# Altium PCB SOM Board with RK3399.PcbDoc (part 5 of 5) (continued)
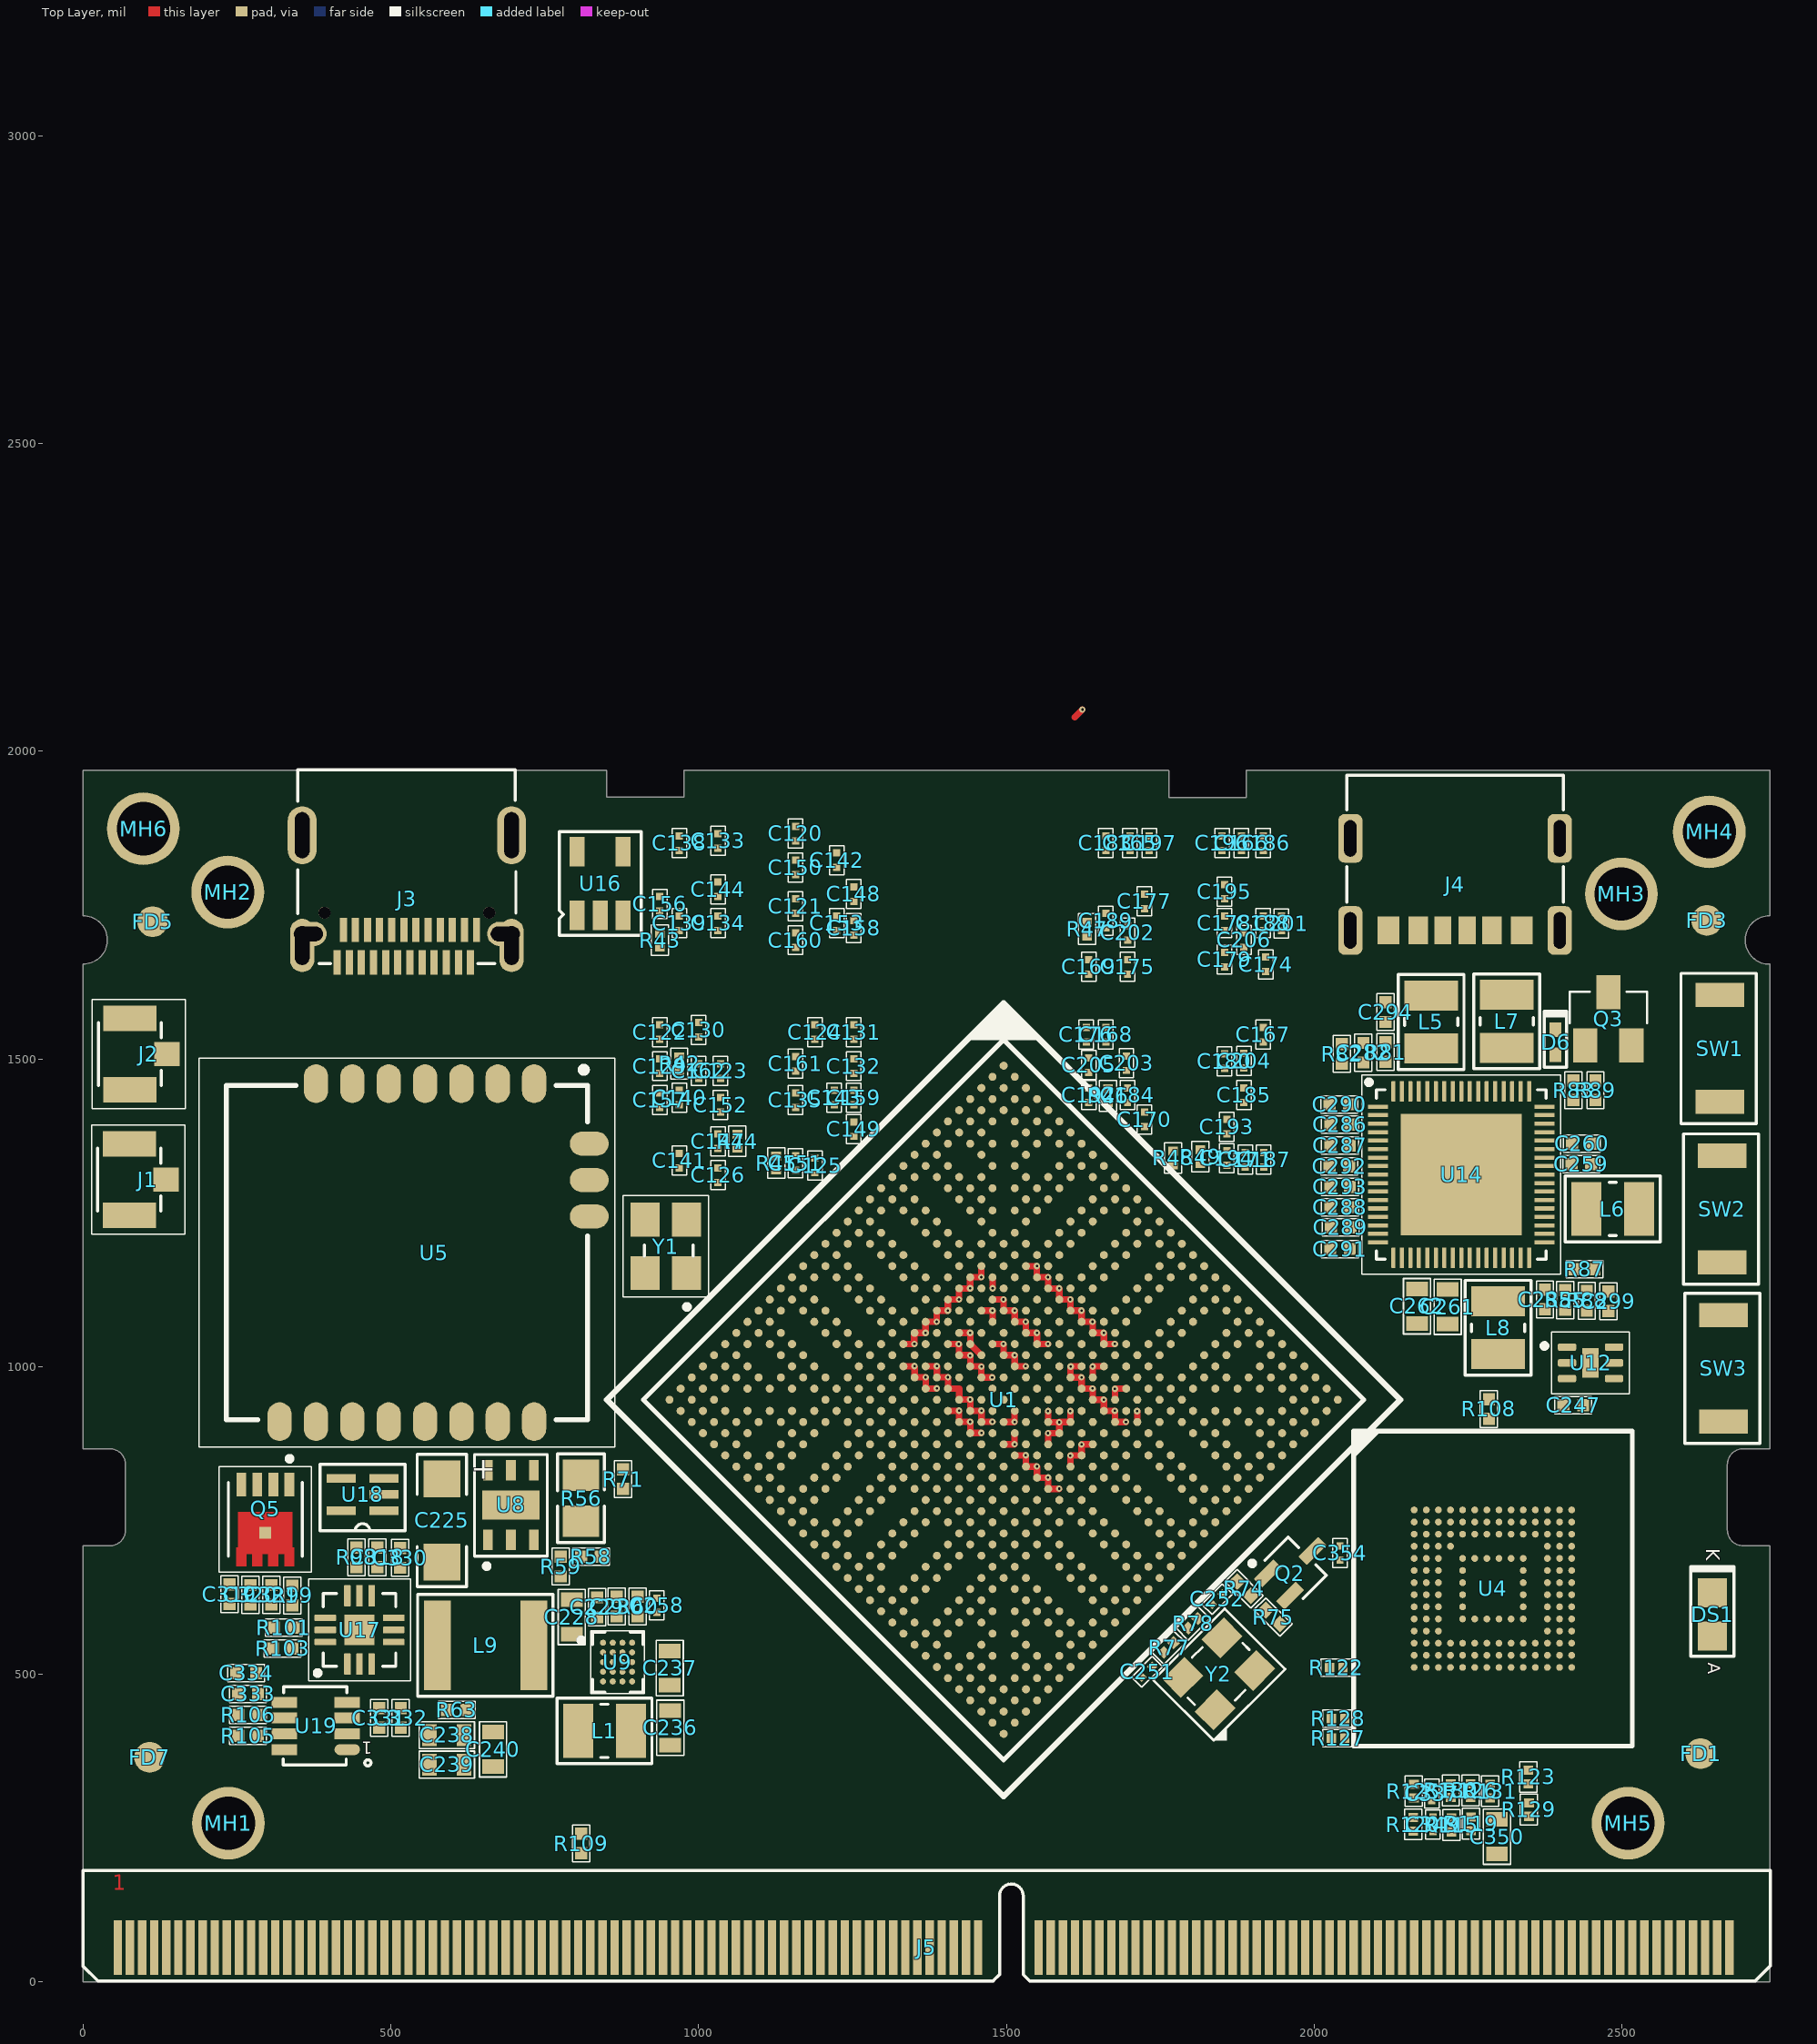
[diagram p0: Top Layer view]
## Nets (pads, with @x,y where several pads share a name; then routed paths per layer and width w, separated by ;. In a path a pad name is that pad's centre, name@x,y a point inside that pad or via, vN(x,y) a via of type N, cw(c..) or ccw(c..) an arc to the next point about the centre after c; other vN are vias at no path point) (continued)
NetDS1_K: DS1.K Q6.3
NetFB2_1: FB2.1 U1.R8
NetFB3_1: FB3.1 U1.H14
NetFB4_1: FB4.1 U1.M7
NetFB5_1: FB5.1 U1.G12
NetJ1_2: J1.2 U5.9
NetJ2_2: J2.2 U5.6
NetJ4_A5: J4.A5 R96.2
NetJ4_B5: J4.B5 R97.2
NetL1_1: L1.1 U9.D3 U9.D4 U9.E3 U9.E4
NetL2_1: L2.1 U10.D3 U10.D4 U10.E3 U10.E4
NetL3_1: L3.1 U11.4
NetL4_1: L4.1 U12.4
NetL5_1: L5.1 U14.61
NetL6_2: L6.2 U14.42 U14.43
NetL7_1: L7.1 U14.58
NetL8_2: L8.2 U14.25 U14.26
NetL10_1: L10.1 U19.3
NetL11_1: L11.1 U20.48
NetQ1_1: Q1.1 Q2.3 R73.2
NetQ2_1: Q2.1 R74.1 R75.2
NetQ3_1: Q3.1 Q4.3 R89.2
NetQ6_1: Q6.1 R108.2
NetR1_1: R1.1 U1.L28
NetR2_1: R2.1 U1.V29
NetR3_2: R3.2 U1.L29
NetR6_1: R6.1 U1.AF15
NetR7_1: R7.1 U1.G21
NetR8_1: R8.1 U1.AF12
NetR10_1: R10.1 U1.AC31
NetR12_1: R12.1 U1.AC30
NetR13_1: R13.1 U1.AG18
NetR14_1: R14.1 U1.AG20
NetR15_1: R15.1 U1.AE21
NetR16_1: R16.1 U1.AG21
NetR21_1: R21.1 U1.AF11
NetR22_1: R22.1 U1.AF14
NetR23_1: R23.1 U1.F24
NetR24_1: R24.1 U1.H23
NetR25_1: R25.1 U1.D26
NetR26_1: R26.1 U1.G23
NetR27_1: R27.1 U1.G24
NetR28_1: R28.1 U1.H22
NetR29_1: R29.1 U1.E28
NetR40_2: R40.2 U1.R7
NetR41_2: R41.2 U1.G15
NetR42_1: R42.1 U2.G2
NetR43_2: R43.2 U2.T2
NetR44_2: R44.2 U2.A5
NetR45_2: R45.2 U2.A8
NetR46_1: R46.1 U3.G2
NetR47_2: R47.2 U3.T2
NetR48_2: R48.2 U3.A5
NetR49_2: R49.2 U3.A8
NetR52_1: R52.1 U6.D4
NetR54_1: R54.1 R57.2 U7.3
NetR55_1: R55.1 Y1.1
NetR56_1: R56.1 R58.2 U8.5
NetR58_1: R58.1 R59.1
NetR64_1: R64.1 R69.1 R72.2 U11.6
NetR65_1: R65.1 R66.2 U12.6
NetR77_1: R77.1 R78.2 U1.Y30
NetR81_1: R81.1 U14.66
NetR85_1: R85.1 R87.1 R88.2 U14.34
NetR95_2: R95.2 U16.3
NetR98_1: R98.1 U17.8
NetR99_1: R99.1 U17.12
NetR101_1: R101.1 R103.1 U17.11
NetR104_2: R104.2 U17.3
NetR105_1: R105.1 R106.2 U19.7
NetR117_2: R117.2 U20.46
NetR118_2: R118.2 U20.39
NetR119_2: R119.2 U20.19
NetR120_2: R120.2 U20.22
OTP_OUT_H: R74.2 U1.P26
PCIE_REF_CLK_N: J5.226 U1.AD30
PCIE_REF_CLK_P: J5.228 U1.AD31
PCIE_RX0_N: J5.214 U1.AF31
PCIE_RX0_P: J5.216 U1.AF30
PCIE_RX1_N: J5.202 U1.AH31
PCIE_RX1_P: J5.204 U1.AH30
PCIE_RX2_N: J5.190 U1.AC28
PCIE_RX2_P: J5.192 U1.AC27
PCIE_RX3_N: J5.178 U1.AF28
PCIE_RX3_P: J5.180 U1.AF27
PCIE_TX0_N: J5.220 U1.AE31
PCIE_TX0_P: J5.222 U1.AE30
PCIE_TX1_N: J5.208 U1.AG31
PCIE_TX1_P: J5.210 U1.AG30
PCIE_TX2_N: J5.196 U1.AA28
PCIE_TX2_P: J5.198 U1.AA27
PCIE_TX3_N: J5.184 U1.AD28
PCIE_TX3_P: J5.186 U1.AD27
PMIC_EXT_EN: R101.2 U12.2 U14.55 U19.8
PMIC_INT_L: C297.2 U1.M30 U14.49
PMIC_SLEEP_H: C298.2 Q4.1 U1.R30 U14.50
PWM0_BL: J5.88 U1.AF5
PWR_KEY: J5.14 R86.1 SW3.2
PWR_KEY_L: D5.A U1.V27
RECOVERY: J5.20 R4.2 SW2.2
RESET_IN_H: C296.2 J5.22 Q1.3 SW1.2 U14.6
RESET_L: R76.1 R84.1 U14.20
RTC_BATT_IN: D4.A1 J5.18
RTC_CLKO_SOC: R82.1 U1.U31 U14.68
RTC_CLKO_WIFI: U5.16 Y1.3
SDIO0_CLK: J5.112 U1.AF7
SDIO0_CMD: J5.106 U1.AH6
SDIO0_D0: J5.98 U1.AD8
SDIO0_D1: J5.100 U1.AK5
SDIO0_D2: J5.102 U1.AG7
SDIO0_D3: J5.104 U1.AE8
SDIO0_DETN: J5.108 U1.AL4
SDIO_CLK: U5.17 U6.E4
SDIO_CMD: U5.4 U6.A3
SDIO_D0: U5.3 U6.A4
SDIO_D1: U5.2 U6.B3
SDIO_D2: U5.1 U6.B4
SDIO_D3: U5.18 U6.C3
SDMMC0_CLK: R2.2 U6.E1
SDMMC0_CMD: U1.V25 U6.A2
SDMMC0_D0: U1.Y27 U6.A1
SDMMC0_D1: U1.Y26 U6.B2
SDMMC0_D2: U1.Y28 U6.B1
SDMMC0_D3: U1.U27 U6.C2
SDMMC0_DET_L: R53.2 U1.V28
SDMMC0_VDDPST: C59.2 U1.U26
SPI1_CLK: J5.62 U1.P28
SPI1_CSn0: J5.56 U1.P29
SPI1_RXD/UART4_RX: J5.60 U1.P27
SPI1_TXD/UART4_TX: J5.58 U1.R31
TX0_N: C65.2 U1.A29
TX0_P: C64.2 U1.B29
TX1_N: C67.2 U1.A30
TX1_P: C66.2 U1.B30
TX2_N: C69.2 U1.C31
TX2_P: C68.2 U1.C30
TX3_N: C71.2 U1.D31
TX3_P: C70.2 U1.D30
TYPEC0_D_N: J3.A7 J3.B7 U1.AH23
TYPEC0_D_P: J3.A6 J3.B6 U1.AG23
TYPEC0_RX1_N: J3.B10 U1.AL21
TYPEC0_RX1_P: J3.B11 U1.AK21
TYPEC0_RX2_N: J3.A10 U1.AL23
TYPEC0_RX2_P: J3.A11 U1.AK23
TYPEC0_SBU1: C304.1 U1.AK20
TYPEC0_SBU1_DC: R91.1 U1.AH17
TYPEC0_SBU2: C305.1 U1.AL20
TYPEC0_SBU2_DC: R94.1 U1.AG17
TYPEC0_TX1_N: C306.1 U1.AK22
TYPEC0_TX1_P: C307.1 U1.AL22
TYPEC0_TX2_N: C308.1 U1.AK24
TYPEC0_TX2_P: C312.1 U1.AL24
TYPEC0_U2VBUSDET: D7.K R9.2 R90.1
TYPEC1_D_N: J5.177 U1.AH24
TYPEC1_D_P: J5.175 U1.AG24
TYPEC1_RX1_N: J5.189 U1.AL25
TYPEC1_RX1_P: J5.187 U1.AK25
TYPEC1_RX2_N: J5.201 U1.AL27
TYPEC1_RX2_P: J5.199 U1.AK27
TYPEC1_SBU1: J5.205 U1.AK29
TYPEC1_SBU1_DC: J5.211 U1.AE24
TYPEC1_SBU2: J5.207 U1.AL29
TYPEC1_SBU2_DC: J5.213 U1.AF25
TYPEC1_TX1_N: J5.183 U1.AK26
TYPEC1_TX1_P: J5.181 U1.AL26
TYPEC1_TX2_N: J5.195 U1.AK28
TYPEC1_TX2_P: J5.193 U1.AL28
TYPEC1_U2VBUSDET: J5.215 R11.2
TYPEC_CC1: C302.2 J3.A5 U15.10 U15.11
TYPEC_CC2: C301.2 J3.B5 U15.1 U15.14
UART2DBG_RX: J5.54 U1.AK2
UART2DBG_TX: J5.52 U1.AJ4
VBUS_TYPEC: C303.2 C310.2 C313.2 J3.A4 J3.A9 J3.B4 J3.B9 R90.2 U15.2 U16.1
VCC1V8_CAM: C284.2 J5.107 U14.31
VCC1V8_LPDDR4_A: C154.2 C155.2 C156.2 C157.2 C158.2 C159.2 C160.2 C161.2 C162.2 FB6.2 U2.F1 U2.F12 U2.G4 U2.G9 U2.T4 U2.T9 U2.U1 U2.U12
VCC1V8_LPDDR4_B: C199.2 C200.2 C201.2 C202.2 C203.2 C204.2 C205.2 C206.2 C207.2 FB7.2 U3.F1 U3.F12 U3.G4 U3.G9 U3.T4 U3.T9 U3.U1 U3.U12
VCC1V8_PMUPLL: C286.2 U14.3
VCC3V0_TOUCH: C285.2 U14.33
VCC3V3_S0: C293.2 U14.11
VCC3V3_S3: C81.2 C85.2 C87.2 C93.2 C208.2 C209.2 C292.2 C335.2 C336.2 R110.1 U1.AB18 U1.AB21 U1.J23 U1.Y25 U4.E6 U4.F5 U4.J10 U4.K9 U14.7
VCC3V3_S5: C279.2 C280.2 C327.2 C328.2 C329.2 D4.A2 R83.2 U14.35 U14.36 U14.52 U14.53 U18.5
VCC3V3_SYS: C218.2 C223.2 C228.2 C229.2 C230.2 C231.2 C232.2 C233.2 C243.2 C244.2 C246.2 C257.2 C259.2 C260.2 C261.2 C262.2 C263.2 C264.2 C273.1 C274.2 C275.2 C276.2 C277.2 C278.2 C309.2 C333.2 C334.2 J5.21 J5.23 J5.25 J5.27 J5.33 L10.2 Q1.2 R54.2 R73.1 R89.1 R105.2 SW1.1 U6.C1 U7.1 U9.D1 U9.D2 U9.E1 U9.E2 U10.D1 U10.D2 U10.E1 U10.E2 U11.3 U12.3 U13.1 U14.1 U14.4 U14.8 U14.10 U14.13 U14.16 U14.23 U14.24 U14.32 U14.44 U14.45 U14.59 U14.60 U15.4 U19.5
VCC5V0_SYS: C225.1 C311.2 C314.2 C322.2 C323.2 C324.2 C331.2 C332.2 J5.13 J5.15 J5.17 J5.19 L9.2 R107.2 U8.1 U8.6 U15.12 U15.13 U16.5 U17.5 U19.2
VCC_0V9: C56.2 C62.2 C72.2 C73.2 C77.2 C79.1 C82.2 C83.2 C247.2 FB2.2 FB3.2 FB8.1 L4.2 R65.2 U1.AA16 U1.AA17 U1.H20 U1.L24 U1.T24 U1.V24 U1.W24 U1.Y18 U1.Y19 U1.Y21 U1.Y22
VCC_1V5: C94.2 C98.2 C290.2 U1.AC8 U1.N23 U14.2
VCC_1V8: C57.2 C63.2 C74.2 C75.2 C76.1 C78.2 C80.2 C84.2 C86.2 C88.2 C89.2 C90.2 C91.2 C96.2 C211.2 C212.2 C213.2 C265.2 FB1.1 FB9.1 FB10.2 J5.29 J5.31 L5.2 R17.2 R18.2 R19.2 R20.2 R50.2 R60.2 R62.2 R67.1 R82.2 R84.2 U1.AA18 U1.AA21 U1.AB8 U1.AB12 U1.AB14 U1.AC10 U1.AD16 U1.J19 U1.J20 U1.J22 U1.J24 U1.K23 U1.K24 U1.U24 U1.Y24 U4.C6 U4.M4 U4.N4 U4.P3 U4.P5 U14.63
VCC_3V0: C95.2 C97.2 C281.2 C291.2 R30.2 R31.2 R32.2 R33.2 R34.2 R35.2 R70.1 U1.AC9 U1.P23 U14.15 U14.17
VCC_DDR: C100.2 C101.2 C102.2 C103.2 C104.2 C105.2 C106.2 C107.2 C108.2 C109.2 C110.2 C111.2 C112.2 C113.2 C114.2 C115.2 C116.2 C117.2 C118.2 C119.2 C120.2 C121.2 C122.2 C123.2 C124.2 C125.2 C126.2 C127.2 C128.2 C129.2 C130.2 C131.2 C132.2 C133.2 C134.2 C135.2 C163.2 C164.2 C165.2 C166.2 C167.2 C168.2 C169.2 C170.2 C171.2 C172.2 C173.2 C174.2 C175.2 C176.2 C177.2 C178.2 C179.2 C180.2 C268.2 C269.2 FB4.2 FB5.2 FB6.1 FB7.1 L7.2 Q3.3 R79.2 U1.J11 U1.J12 U1.J13 U1.J14 U1.J15 U1.J16 U1.J17 U1.J18 U1.K11 U1.K13 U1.K15 U1.K17 U1.L9 U1.L10 U1.M9 U1.N9 U1.N10 U1.P9 U1.R9 U1.R10 U1.T9 U1.U9 U1.U10 U1.V9 U2.A4 U2.A9 U2.AB4 U2.AB9 U2.F5 U2.F8 U2.H1 U2.H5 U2.H8 U2.H12 U2.K1 U2.K3 U2.K10 U2.K12 U2.N1 U2.N3 U2.N10 U2.N12 U2.R1 U2.R5 U2.R8 U2.R12 U2.U5 U2.U8 U3.A4 U3.A9 U3.AB4 U3.AB9 U3.F5 U3.F8 U3.H1 U3.H5 U3.H8 U3.H12 U3.K1 U3.K3 U3.K10 U3.K12 U3.N1 U3.N3 U3.N10 U3.N12 U3.R1 U3.R5 U3.R8 U3.R12 U3.U5 U3.U8 | length 528.6
  Top Layer w10.63: U1.V9@1332.71,1036.52 1350.33,1036.52 U1.U9@1350.33,1054.14 ; U1.U9@1350.81,1054.62 v1@1368.43,1054.62 ; v1(1368.64,1054.83) U1.T9@1368.64,1072.45 ; U1.T9@1368.9,1072.71 v1@1386.52,1072.71 ; v1(1386.74,1072.93) U1.R9@1386.74,1090.55 ; U1.R9@1387,1090.81 v1@1404.62,1090.81 ; v1(1404.83,1091.02) U1.P9@1404.83,1108.64 ; U1.P9@1405.1,1108.9 v1@1422.71,1108.9 ; v1(1422.93,1109.12) U1.N9@1422.93,1126.74 ; U1.N9@1423.19,1127 v1@1440.81,1127 ; v1(1441.02,1127.22) U1.M9@1441.02,1144.83 ; U1.M9@1441.29,1145.1 v1@1458.9,1145.1 ; v1(1459.12,1145.31) U1.L9@1459.12,1162.93 ; v1@1477.48,1127.48 U1.L10@1477.48,1145.1 ; U1.J11@1531.76,1163.19 1549.38,1163.19 U1.J12@1549.38,1145.57 ; U1.J12@1549.86,1145.1 v1@1567.48,1145.1 ; v1@1567.95,1144.62 U1.J13@1567.95,1127 v1@1585.57,1127 ; v1@1586.05,1126.52 U1.J14@1586.05,1108.91 v1@1603.67,1108.91 ; v1@1604.14,1108.43 U1.J15@1604.14,1090.81 v1@1621.76,1090.81 ; v1@1622.24,1090.33 U1.J16@1622.24,1072.71 v1@1639.86,1072.71 ; v1@1640.33,1072.24 U1.J17@1640.33,1054.62 v1@1657.95,1054.62 ; v1@1658.43,1054.14 U1.J18@1658.43,1036.52 v1@1676.05,1036.52
  other v1: 1350.55,1036.74 1676.26,1036.74 1658.17,1054.83 1640.07,1072.93 1621.98,1091.02 1603.88,1109.12 1477.69,1127.26 1585.79,1127.22 1567.69,1145.31 1549.6,1163.41
VCC_DDRC: C136.2 C137.2 C138.2 C139.2 C140.2 C141.2 C142.2 C143.2 C144.2 C145.2 C146.2 C147.2 C148.2 C149.2 C150.2 C151.2 C152.2 C153.2 C181.2 C182.2 C183.2 C184.2 C185.2 C186.2 C187.2 C188.2 C189.2 C190.2 C191.2 C192.2 C193.2 C194.2 C195.2 C196.2 C197.2 C198.2 C300.2 Q3.2 R42.2 R44.1 R45.1 R46.2 R48.1 R49.1 U2.AA3 U2.AA5 U2.AA8 U2.AA10 U2.B3 U2.B5 U2.B8 U2.B10 U2.D1 U2.D5 U2.D8 U2.D12 U2.F3 U2.F10 U2.U3 U2.U10 U2.W1 U2.W5 U2.W8 U2.W12 U3.AA3 U3.AA5 U3.AA8 U3.AA10 U3.B3 U3.B5 U3.B8 U3.B10 U3.D1 U3.D5 U3.D8 U3.D12 U3.F3 U3.F10 U3.U3 U3.U10 U3.W1 U3.W5 U3.W8 U3.W12
VCC_EFUSE: C258.2 U1.AD23 U13.5
VCC_IN_CONN: C299.1 C315.2 C316.2 C317.2 C325.1 J4.A9 J4.B9 J5.1 J5.2 J5.3 J5.4 J5.5 J5.6 J5.7 J5.8 Q5.1 Q5.2 Q5.3 R100.1
VCC_RTC: C283.2 D4.K U14.9
VCC_SDIO: C58.2 C288.2 U1.T23 U14.12
VCC_WIFI: C219.1 C221.2 R56.2 U5.15 U8.4
VCCA1V8_CODEC: C99.2 C287.2 R36.2 R37.2 U1.AA8 U1.Y8 U14.5
VCCA3V0_CODEC: C289.2 U14.14
VCCA_1V8: C61.2 FB1.2 U1.AC24
VDC_ONOFF: J5.16 R85.2
VDD1V0_RGMII: C351.2 C352.2 L11.2 R112.1 R113.1
VDD_CENTER: C5.2 C14.2 C15.2 C16.2 C17.2 C18.2 C19.2 C20.2 C21.2 C266.2 C267.2 L6.1 U1.M11 U1.M12 U1.M13 U1.M14 U1.M15 U1.N11 U1.N12 U1.P13 U1.P14 U1.P15 U14.39 | length 281.9
  Top Layer w10.63: U1.N11@1459.38,1090.81 v1@1477,1090.81 ; U1.P13@1477.48,1036.52 v1@1495.1,1036.52 ; U1.N12@1477.48,1072.71 v1@1477.48,1090.33 ; U1.M11@1477.48,1108.9 v1@1495.1,1108.9 ; v1@1495.57,1036.05 U1.P14@1495.57,1018.43 v1@1513.19,1018.43 ; v1@1495.57,1108.43 U1.M12@1495.57,1090.81 v1@1513.19,1090.81 ; v1@1513.67,1017.95 U1.P15@1513.67,1000.33 v1@1531.29,1000.33 ; v1@1513.67,1090.33 U1.M13@1513.67,1072.71 v1@1531.29,1072.71 ; v1@1531.76,1072.24 U1.M14@1531.76,1054.62 v1@1549.38,1054.62 ; v1@1549.86,1054.14 U1.M15@1549.86,1036.52 v1@1567.48,1036.52
  other v1: 1531.5,1000.55 1513.41,1018.64 1495.31,1036.74 1567.69,1036.74 1549.6,1054.83 1531.5,1072.93 1477.21,1091.02 1513.41,1091.02 1495.31,1109.12
VDD_CPU_B: C1.2 C30.2 C31.2 C32.2 C33.2 C34.2 C35.2 C36.2 C37.2 C38.2 C39.2 C234.2 C235.2 C236.2 C237.2 L1.2 R61.2 U1.K19 U1.K21 U1.L18 U1.L19 U1.L21 U1.L23 U1.M18 U1.M19 U1.M20 U1.M21 U1.M22 U1.N20 U1.N22 | length 281.9
  Top Layer w10.63: v1@1604.14,999.86 U1.M18@1604.14,982.24 v1@1621.76,982.24 ; v1@1604.62,1000.33 U1.L18@1622.24,1000.33 ; v1@1622.24,981.76 U1.M19@1622.24,964.14 v1@1639.86,964.14 ; v1@1640.33,963.67 U1.M20@1640.33,946.05 v1@1657.95,946.05 ; U1.L19@1640.33,982.24 v1@1640.33,999.86 ; v1@1640.81,1000.33 U1.K19@1658.43,1000.33 ; v1@1658.43,945.57 U1.M21@1658.43,927.95 v1@1676.05,927.95 ; v1@1676.52,927.48 U1.M22@1676.52,909.86 v1@1694.14,909.86 ; U1.L21@1676.52,946.05 v1@1676.52,963.67 ; v1@1677,964.14 U1.K21@1694.62,964.14 ; U1.L23@1712.71,909.86 v1@1712.71,927.48
  other v1: 1694.36,910.07 1676.26,928.17 1712.5,927.69 1658.17,946.26 1640.07,964.36 1676.31,963.88 1621.98,982.45 1604.4,1000.12 1640.12,1000.07
VDD_CPU_B_FB: R61.1 U1.N18 U9.A4
VDD_CPU_L: C24.2 C25.2 C26.2 C27.2 C28.2 C29.2 C270.2 C271.2 L8.1 U1.P20 U1.P22 U1.R19 U1.R20 U1.R22 U1.T20 U1.T22 U14.29 | length 193.8
  Top Layer w10.63: U1.T20@1567.95,873.88 v1@1567.95,891.5 ; U1.R19@1567.95,909.86 v1@1567.95,927.48 ; v1@1568.43,891.76 U1.R20@1586.05,891.76 1586.05,909.38 U1.R19@1568.43,909.38 ; v1@1586.52,909.86 U1.P20@1604.14,909.86 v1@1604.14,927.48 ; U1.T22@1604.14,837.48 v1@1604.14,855.1 ; v1@1604.62,855.57 U1.R22@1622.24,855.57 v1@1622.24,873.19 ; v1@1622.71,873.67 U1.P22@1640.33,873.67
  other v1: 1603.93,855.31 1622.02,873.41 1567.74,891.72 1585.83,909.6 1567.74,927.69 1603.93,927.69
VDD_GPU: C4.2 C40.2 C41.2 C42.2 C43.2 C44.2 C45.2 C46.2 C47.2 C48.2 C49.2 C50.2 C51.2 C52.2 C53.2 C54.2 C55.2 C238.2 C239.2 C240.2 L2.2 R63.1 U1.R11 U1.R12 U1.R13 U1.T11 U1.T12 U1.T13 U1.T14 U1.U13 U1.V11 U1.V12 U1.V13 U1.V14 U1.V15 U1.V16 U1.W10 U1.W11 U1.W12 U1.W14 U1.W15 U1.W16 | length 554.2
  Top Layer w10.63: U1.W10@1332.94,1000.56 v1@1350.56,1000.56 ; U1.W11@1350.81,982.24 v1@1350.81,999.86 ; U1.W11@1351.04,982.46 v1@1368.65,982.46 ; v1@1369.13,981.99 1369.13,964.37 v1@1386.75,964.37 ; U1.V11@1369.13,1000.56 v1@1386.75,1000.56 ; v1@1387.23,1000.08 1387.23,982.46 v1@1404.84,982.46 ; U1.T11@1405.1,1036.52 v1(1422.71,1036.52) ; U1.W14@1405.32,928.18 v1@1422.94,928.18 ; v1@1405.32,981.99 1405.32,964.37 1422.94,964.37 ; U1.W15@1423.19,909.86 v1@1423.19,927.48 ; v1@1423.19,1036.05 U1.T12@1423.19,1018.43 v1@1440.81,1018.43 ; U1.R11@1423.19,1054.62 v1@1440.81,1054.62 ; U1.W15@1423.42,910.08 v1@1441.04,910.08 ; 1423.42,963.89 1423.42,946.27 v1@1441.04,946.27 ; U1.W16@1441.29,891.76 v1@1441.29,909.38 ; v1(1441.29,1017.95) U1.T13@1441.29,1000.33 v1@1458.9,1000.33 ; v1@1441.29,1054.14 U1.R12@1441.29,1036.52 U1.R13@1459.38,1018.43 ; U1.W16@1441.51,891.99 v1@1459.13,891.99 ; v1@1441.51,945.8 1441.51,928.18 v1@1459.13,928.18 ; v1(1459.38,999.86) U1.T14@1459.38,982.24 v1(1477,982.24) ; v1@1459.61,927.7 1459.61,910.08 v1@1477.23,910.08
  other v1: 1459.35,892.2 1441.25,910.3 1477.44,910.3 1423.15,928.39 1459.35,928.39 1441.25,946.49 1386.96,964.58 1368.87,982.68 1405.06,982.68 1350.77,1000.77 1386.96,1000.77 1441.02,1054.83
VDD_GPU_FB: R63.2 U1.T15 U10.A4
VDD_LOG: C3.2 C6.2 C7.2 C8.2 C9.2 C10.2 C11.2 C12.2 C13.2 C245.2 L3.2 R64.2 U1.L17 U1.M17 U1.T17 U1.U17 U1.U18 U1.U20 U1.V18 U1.V19 U1.V20 U1.V21 U1.V22 U1.W20 | length 193.8
  Top Layer w10.63: U1.V18@1495.57,873.67 v1@1513.19,873.67 ; U1.U17@1495.57,909.86 v1@1513.19,909.86 ; v1(1513.41,873.88) U1.U18@1513.41,891.5 ; v1(1513.41,910.07) U1.T17@1513.41,927.69 ; U1.V19@1513.67,855.57 v1@1531.29,855.57 ; v1@1531.76,855.1 U1.V20@1531.76,837.48 v1@1549.38,837.48 ; v1@1549.86,837 U1.V21@1549.86,819.38 v1@1567.48,819.38 ; v1@1567.95,818.9 U1.V22@1567.95,801.29 v1@1585.57,801.29
  other v1: 1585.79,801.5 1567.69,819.6 1549.6,837.69 1531.5,855.79
WLANRST_1V8: C216.2 R51.1 U5.12 U5.13
pads on no net: FD1.1 FD2.1 FD3.1 FD4.1 FD5.1 FD6.1 FD7.1 FD8.1 J3. J5.94 U1.A3 U1.A4 U1.A6 U1.A7 U1.AA19 U1.AA20 U1.AA22 U1.AA24 U1.AA25 U1.AB20 U1.AB22 U1.AB24 U1.AC12 U1.AC14 U1.AC19 U1.AD11 U1.AD12 U1.AD14 U1.AD15 U1.AD18 U1.AD19 U1.AD20 U1.AD24 U1.AD25 U1.AE9 U1.AE18 U1.AE20 U1.AE26 U1.AF21 U1.AG8 U1.AH8 U1.AH18 U1.AH20 U1.AH21 U1.AH27 U1.AJ30 U1.AJ31 U1.AL5 U1.AL30 U1.B2 U1.B4 U1.B6 U1.B7 U1.C1 U1.C3 U1.C4 U1.C5 U1.C6 U1.D1 U1.D2 U1.D3 U1.D6 U1.D11 U1.D12 U1.E3 U1.E11 U1.F3 U1.F4 U1.F7 U1.F9 U1.F14 U1.F17 U1.F30 U1.F31 U1.G6 U1.G8 U1.G14 U1.G17 U1.G20 U1.H6 U1.H7 U1.H21 U1.H24 U1.J1 U1.J2 U1.K1 U1.K2 U1.L4 U1.L5 U1.L30 U1.M4 U1.R29 U1.U6 U1.U7 U1.U30 U1.V6 U1.V7 U1.V30 U1.V31 U1.W31 U2.A1 U2.A2 U2.A11 U2.A12 U2.AA1 U2.AA12 U2.AB1 U2.AB2 U2.AB11 U2.AB12 U2.B1 U2.B12 U2.G11 U2.K5 U2.K8 U2.N5 U2.N8 U3.A1 U3.A2 U3.A11 U3.A12 U3.AA1 U3.AA12 U3.AB1 U3.AB2 U3.AB11 U3.AB12 U3.B1 U3.B12 U3.G11 U3.K5 U3.K8 U3.N5 U3.N8 U4.A1 U4.A2 U4.A7 U4.A8 U4.A9 U4.A10 U4.A11 U4.A12 U4.A13 U4.A14 U4.B1 U4.B7 U4.B8 U4.B9 U4.B10 U4.B11 U4.B12 U4.B13 U4.B14 U4.C1 U4.C3 U4.C5 U4.C7 U4.C8 U4.C9 U4.C10 U4.C11 U4.C12 U4.C13 U4.C14 U4.D1 U4.D2 U4.D3 U4.D4 U4.D12 U4.D13 U4.D14 U4.E1 U4.E2 U4.E3 U4.E5 U4.E8 U4.E9 U4.E10 U4.E12 U4.E13 U4.E14 U4.F1 U4.F2 U4.F3 U4.F10 U4.F12 U4.F13 U4.F14 U4.G1 U4.G2 U4.G3 U4.G10 U4.G12 U4.G13 U4.G14 U4.H1 U4.H2 U4.H3 U4.H12 U4.H13 U4.H14 U4.J1 U4.J2 U4.J3 U4.J12 U4.J13 U4.J14 U4.K1 U4.K2 U4.K3 U4.K6 U4.K7 U4.K10 U4.K12 U4.K13 U4.K14 U4.L1 U4.L2 U4.L3 U4.L12 U4.L13 U4.L14 U4.M1 U4.M2 U4.M3 U4.M7 U4.M8 U4.M9 U4.M10 U4.M11 U4.M12 U4.M13 U4.M14 U4.N1 U4.N3 U4.N6 U4.N7 U4.N8 U4.N9 U4.N10 U4.N11 U4.N12 U4.N13 U4.N14 U4.P1 U4.P2 U4.P7 U4.P8 U4.P9 U4.P10 U4.P11 U4.P12 U4.P13 U4.P14 U5.11 U6.D2 U6.D3 U6.E2 U6.E3 U7.4 U8.3 U11.1 U12.1 U13.4 U14.47 U14.48 U14.54 U14.67 U15.3 U15.8 U17.4 U17.13 U18.4 U19.1 U20.12
copper on no net: | length 17.6
  Top Layer w10.63: 1611,2055 v1@1623.46,2067.46
  other v1: 1623.46,2067.76

## Polygon pours and split planes (outlines as drawn)
no net on GND-1 (split plane): 200 vertices, not listed, extent 20.1,20.26 2720.08,1948.57
no net on PWR-1 (split plane): 200 vertices, not listed, extent 20.1,20.26 2720.08,1948.57
no net on PWR-2 (split plane): 200 vertices, not listed, extent 20.1,20.26 2720.08,1948.57
no net on GND-2 (split plane): 200 vertices, not listed, extent 20.1,20.26 2720.08,1948.57
no net on GND-3 (split plane): 200 vertices, not listed, extent 20.1,20.26 2720.08,1948.57
no net on GND-4 (split plane): 200 vertices, not listed, extent 20.1,20.26 2720.08,1948.57
no net on GND-5 (split plane): 200 vertices, not listed, extent 20.1,20.26 2720.08,1948.57

## Silkscreen, mask and mechanical layers (free items; w line width, h text height)
Mechanical 4:
  drawing of 664 lines, arcs and shapes, not listed
Mechanical 5:
  drawing of 520 lines, arcs and shapes, not listed
Mechanical 6:
  lines w0.5: 160.02,846.17 194.02,846.17 194.02,1171.17 160.02,1171.17 160.02,846.17 ; 161.02,1457.17 195.02,1457.17 195.02,1688.17 cw(c217.49,1747.89) 161.02,1718.17 161.02,1457.17 ; 162.02,301.17 cw(c218.49,271.44) 196.02,331.17 196.02,562.17 162.02,562.17 162.02,301.17 ; 170.02,1947.17 cw(c148.05,1904.55) 195.02,1914.17 367.02,1914.17 367.02,1947.17 170.02,1947.17 ; 651.02,1928.17 830.02,1928.17 830.02,1948.17 651.02,1948.17 651.02,1928.17 ; 1000.02,1928.17 1228.02,1928.17 1228.02,1946.17 1000.02,1946.17 1000.02,1928.17 ; 1508.02,1928.17 1736.02,1928.17 1736.02,1946.17 1508.02,1946.17 1508.02,1928.17 ; 1912.02,1928.17 2091.02,1928.17 2091.02,1948.17 1912.02,1948.17 1912.02,1928.17 ; 2373.02,1913.17 2373.02,1946.17 2570.02,1946.17 ccw(c2592,1903.55) 2545.02,1913.17 2373.02,1913.17 ; 2544.02,1453.17 2578.02,1453.17 2578.02,1714.17 cw(c2521.56,1743.89) 2544.02,1684.17 2544.02,1453.17 ; 2546.02,329.17 cw(c2523.56,269.44) 2580.02,299.17 2580.02,560.17 2546.02,560.17 2546.02,329.17 ; 2546.02,845.17 2580.02,845.17 2580.02,1170.17 2546.02,1170.17 2546.02,845.17
Mechanical 7:
  lines w0.5: 2543.02,361.6 2543.02,1653.17 ccw(c2503.59,1653.73) 2504.02,1693.17 cw(c2503.45,1771.67) 2504.02,1850.17 ccw(c2503.06,1889.17) 2504.02,1928.17 1912.02,1928.17 1912.02,1948.17 2582.02,1948.17 2582.02,170.17 2577.02,165.17 2505.02,165.17 cw(c2504,243.17) 2503.02,321.17 ccw(c2502.58,361.6) 2543.02,362.16 ; 158.02,169.17 158.02,1276.17 cw(c128.52,1248.27) 169.02,1251.17 ccw(c197.86,1254) 180.02,1231.17 ccw(c221.02,1255.17) 197.02,1214.17 197.02,361.17 ccw(c237.46,360.61) 237.02,320.17 cw(c236.04,242.17) 235.02,164.17 163.02,164.17 158.02,169.17 ; 158.02,1332.17 158.02,1479.17 cw(c163.83,1444.45) 197.02,1456.17 197.02,1305.17 ccw(c156.96,1287.39) 159.02,1331.17 158.02,1332.17 ; 159.02,1535.17 cw(c163.02,1469.72) 198.02,1525.17 198.02,1652.17 cw(c237.46,1652.73) 237.02,1692.17 ccw(c237.6,1770.67) 237.02,1849.17 cw(c237.98,1888.17) 237.02,1927.17 829.02,1927.17 829.02,1947.17 159.02,1947.17 159.02,1535.17 ; 1001.02,1928.17 1001.02,1946.17 1736.02,1946.17 1736.02,1928.17 1001.02,1928.17
Mechanical 8:
  lines w0.5: 0.02,0.17 1.2,0.17 23.65,0.17 1478.37,0.17 1488.21,10.01 1488.21,137.96 cw(c1507.9,137.96) 1507.9,157.65 cw(c1507.9,137.96) 1527.58,137.96 1527.58,10.01 1537.43,0.17 2716.56,0.17 2738.61,0.17 2740.18,0.17 2740.18,1.74 2740.18,23.79 2740.18,708.83 2696.87,708.83 cw(c2696.87,734.42) 2671.28,734.42 2671.28,840.72 cw(c2696.87,840.72) 2696.87,866.31 2740.18,866.31 2740.18,1653.77 cw(c2739.72,1693.06) 2739.72,1732.37 2740.18,1732.37 2740.18,1787.57 2740.18,1929.3 2740.18,1968.67 2700.81,1968.67 1889.92,1968.67 1889.92,1924.97 1763.82,1924.97 1763.82,1968.57 1763.72,1968.67 976.32,1968.67 976.32,1925.27 850.22,1925.27 850.22,1968.67 39.39,1968.67 0.81,1968.67 0.02,1968.67 0.02,1967.88 0.02,1929.69 0.03,1929.7 ccw(c39.39,1929.1) 0.02,1929.3 0.02,1787.57 0.02,1732.27 0.32,1732.27 cw(c0.32,1693.21) 0.02,1654.17 0.02,866.31 43.33,866.31 cw(c43.33,840.72) 68.92,840.72 68.92,734.42 cw(c43.33,734.42) 43.33,708.83 0.02,708.83 0.02,23.79 0.02,1.35 0.02,0.17

## Text inside footprints (layer, text, board x,y; h text height)
C219: Bottom Overlay "+" at 778,996 h60 r180
C225: Top Overlay "+" at 630,806 h60
DS1: Top Overlay "K" at 2637.16,704.28 h22 r270; Top Overlay "A" at 2640.11,518.75 h20 r270
J5: Top Layer "1" at 48.06,149.37 h25
U19: Top Overlay "1" at 469.61,390.02 h20 r180